# Altium PCB B0621_T01_V1.0.PcbDoc (part 1 of 2) (continued)
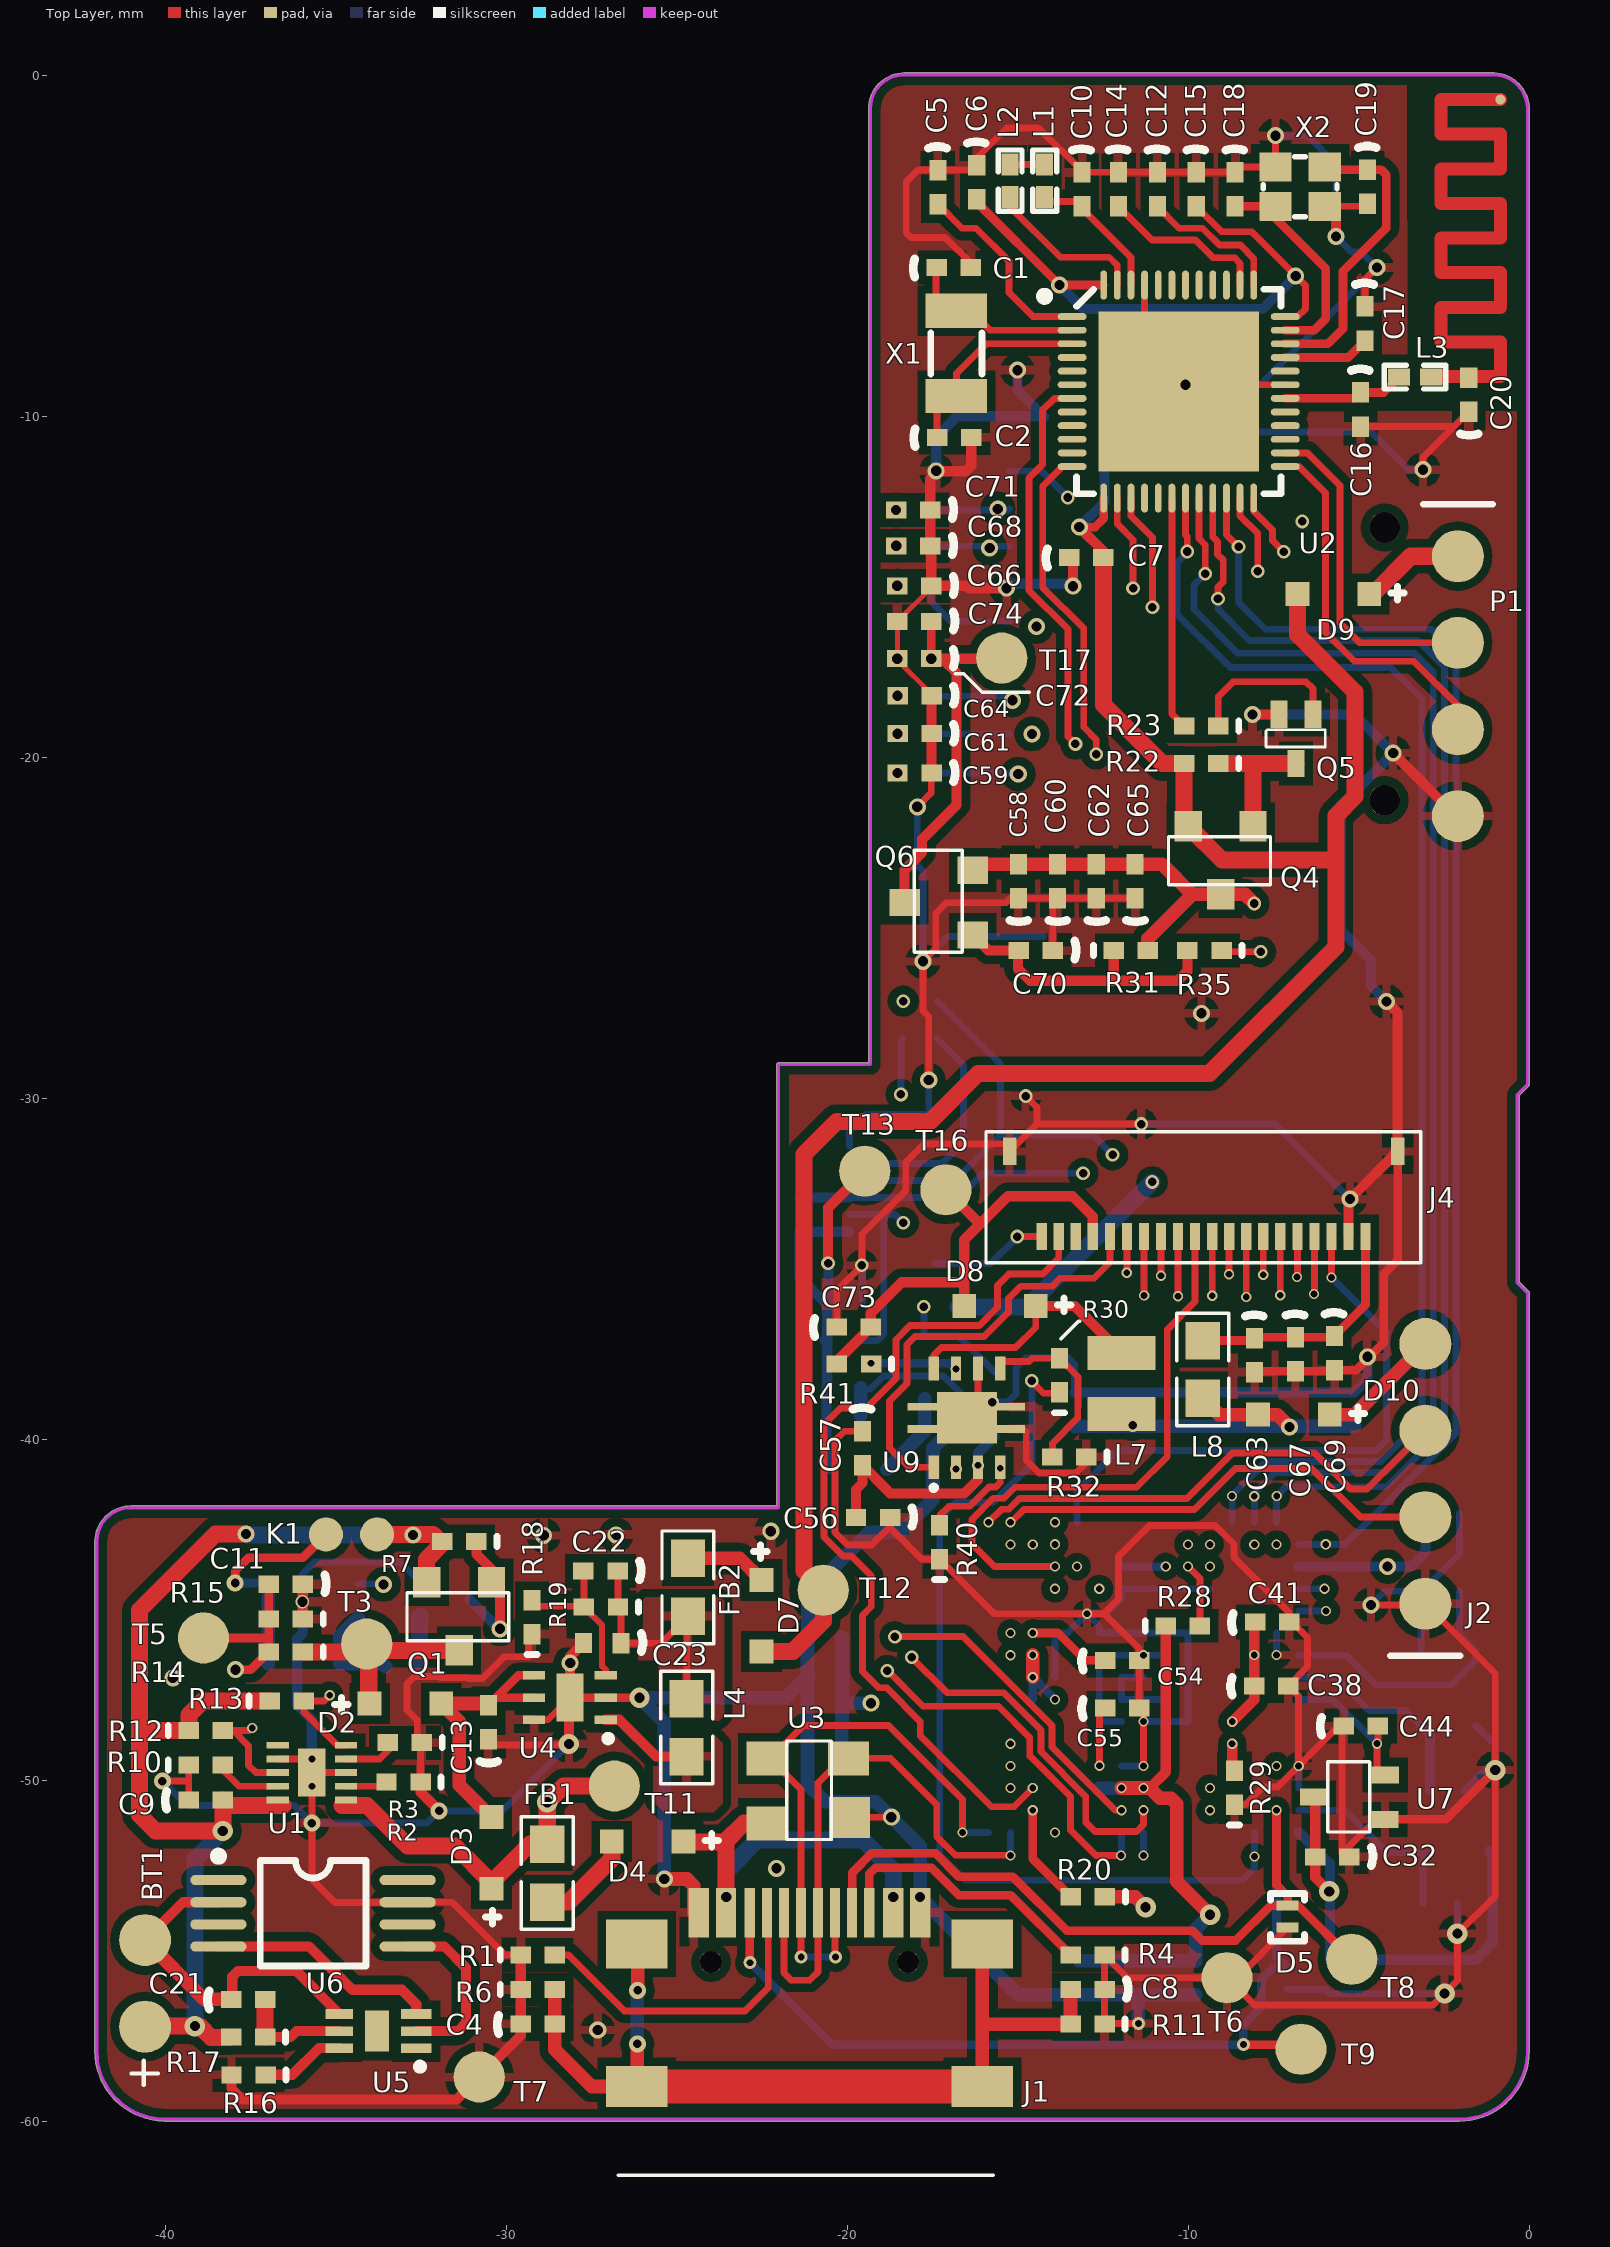
[diagram p0: Top Layer view]
## Components (designator, comment, footprint, x,y, rotation, side; value= is the part's Value field where it differs from the comment) (continued)
D5 "PESD5V0S1BL" SOD882 -7.087,-54.318 r90 top
D6 "PESD5V0S1BL" SOD882 -7.112,-56.134 r90 bottom
D7 "PMEG3005EJ" SOD323 -22.522,-46.22 r90 top
D8 "D-Schottky" SOD323 -16.573,-36.081 r0 top
D9 "PMEG3005EJ" SOD323 -6.793,-15.201 r0 top
D10 "PMEG3005EJ" SOD323 -7.951,-39.271 r0 top
FB1 "MF-FSMF020X-2" 0603-1 -28.804,-52.718 r90 top
FB2 "WLCB1005D" 0603-1 -24.676,-44.336 r270 top
J1 "TPYE_C" ? -18.161,-54.61 r0 top locked
J2 "ST_SWD" SWD_CON -3.048,-44.818 r90 top
J3 "GB042-10S-H10" 6PIN-1 -19.939,-31.4 r270 bottom locked
J4 "20PIN" 20PIN-1 -4.8,-34.049 r180 top locked
J5 "ATTEND_112J-TDAR-R01" TF_1 -15.24,-20.447 r90 bottom locked
K1 "ON/OFF" switch_con -33.795,-42.786 r180 top
L1 "15nH" INDC1005X04L -14.211,-3.073 r90 top
L2 "10uH" INDC1005X04L -15.227,-3.073 r270 top
L3 "3.9nH" INDC1005X04L -3.349,-8.837 r0 top
L4 "2.2uH" 0603-1 -24.714,-48.451 r270 top
L5 "Inductor" 0603-1 -2.032,-52.07 r180 bottom
L6 "BLM18AG102SN1D" 0603-1 -19.698,-40.869 r180 bottom
L7 "4u7 VLS252008ET-4R7" L_2.5X2.0 -11.963,-39.18 r90 top
L8 "Inductor" 0603-1 -9.576,-37.948 r270 top
P1 "DownLoad_Nodic" SWD_CON -2.093,-14.091 r270 top
Q1 "DMG3415U-7" SOT23 -31.369,-45.225 r180 top
Q2 "2SK3019TL" SOT523_MOSFET -31.801,-44.729 r90 bottom
Q3 "DMG3415U-7" SOT23 -16.771,-38.788 r270 bottom
Q4 "DMG3415U-7" SOT23 -9.03,-23.051 r180 top
Q5 "2SK3019TL" SOT523_MOSFET -6.812,-19.45 r180 top
Q6 "DMG3415U-7" SOT23 -17.361,-24.27 r90 top
R1 "5.1K" 0402-a -29.083,-55.118 r0 top
R2 "6.98K" 0402-A -33.02,-50.051 r180 top
R3 "4.02K" 0402-A -32.982,-48.895 r180 top
R4 "5.1K" 0402-a -12.954,-55.118 r180 top
R5 "150K" 0402-A -36.487,-44.234 r180 bottom
R6 "1M" 0402-a -29.083,-56.134 r0 top
R7 "10K" 0402-A -31.382,-42.99 r180 top
R8 "150K" 0402-A -34.353,-44.729 r270 bottom
R9 "150K" 0402-A -33.045,-46.66 r180 bottom
R10 "10K" 0402-A -38.819,-49.555 r0 top
R11 "1M" 0402-a -12.954,-57.15 r180 top
R12 "10K" 0402-A -38.819,-48.539 r0 top
R13 "10K" 0402-A -36.449,-47.676 r0 top
R14 "20K" 0402-A -36.474,-46.228 r180 top
R15 "120K" 0402-A -36.474,-45.263 r180 top
R16 "2k" 0402-A -37.567,-58.636 r180 top
R17 "100" 0402-A -37.579,-57.531 r180 top
R18 "160K" 0402-A -29.248,-45.212 r90 top
R19 "665K" 0402-A -27.229,-44.92 r180 top
R20 "22R" 0402-a -12.946,-53.414 r180 top
R21 "10K" 0402-A -17.25,-36.116 r0 bottom
R22 "10K" 0402-A -9.62,-20.171 r180 top
R23 "100K" 0402-A -9.619,-19.077 r180 top
R24 "1.5K" 0402-A -17.861,-27.143 r180 bottom
R25 "100R" 0402-A -17.869,-28.245 r180 bottom
R26 "1.5K" 0402-A -21.398,-33.405 r270 bottom
R27 "10K" 0402-A -20.058,-37.04 r180 bottom
R28 "Res1" 0402-A -10.16,-45.466 r0 top
R29 "Res1" 0402-A -8.649,-50.211 r90 top
R30 "68R" 0402-a -13.779,-38.118 r90 top
R31 "470K" 0402-A -11.684,-25.654 r0 top
R32 "330R" 0402-a -13.488,-40.508 r180 top
R33 "68R" 0402-A -18.021,-20.447 r180 bottom
R34 "68R" 0402-A -18.034,-19.291 r180 bottom
R35 "22K" 0402-A -9.525,-25.654 r180 top
R36 "68R" 0402-A -18.034,-18.186 r180 bottom
R37 "68R" 0402-A -18.039,-14.953 r180 bottom
R38 "68R" 0402-A -18.059,-13.792 r180 bottom
R39 "68R" 0402-A -18.072,-12.738 r180 bottom
R40 "27R" 0402-a -17.292,-43.012 r90 top
R41 "0R" 0402-a -19.807,-37.787 r180 top
T3 "CHECK" CHECK-B -34.099,-45.999 r0 top
T5 "CHECK" CHECK-B -38.887,-45.822 r0 top
T6 "CHECK" CHECK-B -8.865,-55.791 r0 top
T7 "CHECK" CHECK-B -30.797,-58.699 r0 top
T8 "CHECK" CHECK-B -5.207,-55.245 r0 top
T9 "CHECK" CHECK-B -6.693,-57.887 r180 top
T11 "CHECK" CHECK-B -26.835,-50.165 r0 top
T12 "CHECK" CHECK-B -20.706,-44.421 r0 top
T13 "CHECK" CHECK-B -19.489,-32.128 r0 top
T16 "CHECK" CHECK-B -17.109,-32.678 r0 top
T17 "CHECK" CHECK-B -15.473,-17.078 r0 top
U1 "bq24040" WSON-10 -35.009,-50.571 r180 top
U2 "nRF52832-QFAAB0" 2-QFN40P600X600X90-48N -10.312,-9.169 r0 top
U3 "PRTR5V0U2X" SOT143B -20.066,-51.054 r90 top
U4 "TPS62260DRV" SON-6 -27.089,-48.222 r180 top
U5 "HY2113" DFN-6L -33.795,-57.353 r90 top
U6 "FS8205A" TSSOP-8 -35.674,-53.899 r0 top
U7 "MIC803-29D2VC3" SC70-3 -4.221,-51.143 r90 top
U8 "STM32F427IIH6" UFBGA176+25 -11.214,-47.003 r180 bottom locked
U9 "TPS61043" QFN-8 -17.468,-40.765 r90 top
X1 "32.768kHz" XTAL_3215 -16.802,-8.141 r270 top
X2 "32MHz" BT-XTAL_2016 -6.718,-3.251 r180 top
XT1 "8Mhz" OSC_4-3225 -3.175,-48.387 r270 bottom

## Footprints (in the part's own frame and the unit in brackets; to place one, negate y for a bottom-side part, rotate by r counter-clockwise, add the part's x,y. Pads: shape width x height; smd on the part's side, far side on the other; paste and mask are expansions set on the pad)
2-QFN40P600X600X90-48N [mm]
  oval 0.85x0.2 smd: 1(-3.094,2.109) 2(-3.094,1.709) 3(-3.094,1.309) 4(-3.094,0.909) 5(-3.094,0.509) 6(-3.094,0.109) 7(-3.094,-0.291) 8(-3.094,-0.691) 9(-3.094,-1.091) 10(-3.094,-1.491) 11(-3.094,-1.891) 12(-3.094,-2.291) 25(3.156,-2.291) 26(3.156,-1.891) 27(3.156,-1.491) 28(3.156,-1.091) 29(3.156,-0.691) 30(3.156,-0.291) 31(3.156,0.109) 32(3.156,0.509) 33(3.156,0.909) 34(3.156,1.309) 35(3.156,1.709) 36(3.156,2.109)
  oval 0.2x0.85 smd: 13(-2.169,-3.216) 14(-1.769,-3.216) 15(-1.369,-3.216) 16(-0.969,-3.216) 17(-0.569,-3.216) 18(-0.169,-3.216) 19(0.231,-3.216) 20(0.631,-3.216) 21(1.031,-3.216) 22(1.431,-3.216) 23(1.831,-3.216) 24(2.231,-3.216) 37(2.231,3.034) 38(1.831,3.034) 39(1.431,3.034) 40(1.031,3.034) 41(0.631,3.034) 42(0.231,3.034) 43(-0.169,3.034) 44(-0.569,3.034) 45(-0.969,3.034) 46(-1.369,3.034) 47(-1.769,3.034) 48(-2.169,3.034)
  rect 4.7x4.7 smd: 49(0.031,-0.091)
  silkscreen extent -4.03,-3.09 3.03,2.91, body extent -2.99,-3.11 3.05,2.93, height 0.86
6PIN-1 [mm]
  rect 0.3x0.8 smd: 1(0,0) 2(0.5,0) 3(1,0) 4(1.5,0) 5(2,0) 6(2.5,0)
  rect 0.4x0.8 smd: 7(-0.94,-2.5) 8(3.44,-2.5)
  silkscreen extent -1.43,-3.05 3.93,0.76
20PIN-1 [mm]
  rect 0.3x0.8 smd: 1(0,0) 2(0.5,0) 3(1,0) 4(1.5,0) 5(2,0) 6(2.5,0) 7(3,0) 8(3.5,0) 9(4,0) 10(4.5,0) 11(5,0) 12(5.5,0) 13(6,0) 14(6.5,0) 15(7,0) 16(7.5,0) 17(8,0) 18(8.5,0) 19(9,0) 20(9.5,0)
  rect 0.4x0.8 smd: 21(-0.94,-2.5) 22(10.44,-2.5)
  silkscreen extent -1.62,-3.07 11.13,0.76
0402-a [mm] "Chip Inductor; Body 1 x 0.5 mm (LxW typ)"
  rect 0.6x0.5 smd: 1(-0.5,0) 2(0.5,0)
  silkscreen extent -1.1,-0.15 -1.1,0.15
0402-A [mm] "Chip Inductor; Body 1 x 0.5 mm (LxW typ)"
  rect 0.6x0.5 smd: 1(-0.5,0) 2(0.5,0)
  silkscreen extent -1.1,-0.15 -1.1,0.15
0402-c [mm]
  rect 0.6x0.5 smd: 1(0.389,0) 2(1.389,0)
  silkscreen extent -0.3,-0.28 -0.25,0.25
0402-C [mm]
  rect 0.6x0.5 smd: 1(0.389,0) 2(1.389,0)
  silkscreen extent -0.3,-0.28 -0.25,0.25
0402-C1 [mm]
  rect 0.5x0.6 smd: 1(0.25,0.26) 2(1.35,0.25)
  silkscreen extent -0.39,-0.03 -0.34,0.5
0603-1 [mm] "贴片带丝印"
  rect 1.1x1 smd: 1(-0.85,0) 2(0.85,0)
  silkscreen extent -1.65,-0.76 1.65,0.76, body extent -1.14,-0.38 1.14,0.38, height 1
BAT_CON [mil]
  round 60 smd: 1(0,0) 2(100,0)
  silkscreen extent -67,-15 -39,16
BT-XTAL_2016 [mm] "Crystal 2.0 x 1.6 mm"
  rect 0.95x0.85 smd: 1(-0.725,-0.575) 2(0.725,-0.575) 3(0.725,0.575) 4(-0.725,0.575)
  silkscreen extent -1.08,-0.88 1.08,0.88, body extent -1.05,-0.85 1.05,0.85, height 0.56
CHECK-B [mm] "Connector; Plug"
  round 1.5 smd: 1(0,0)
DFN-6L [mm]
  rect 0.28x0.9 smd mask+0.05: 1(-0.5,-1.15) 2(0,-1.15) 3(0.5,-1.15)
  rect 0.28x0.8 smd mask+0.05: 4(0.5,1.11) 5(0,1.11)
  rect 0.28x0.81 smd mask+0.05: 6(-0.5,1.11)
  rect 1.2x0.7 smd: ""(0,0)
  silkscreen extent -1.15,-1.36 -0.94,-1.15
INDC1005X04L [mm] "Chip Inductor, 2-Leads, Body 1.0x0.5mm, IPC High Density"
  rect 0.65x0.5 smd: 1(-0.475,0) 2(0.475,0)
  silkscreen extent -0.9,-0.35 0.9,0.35, body extent -0.5,-0.3 0.5,0.3, height 0.5
L_2.5X2.0 [mm]
  rect 1x2 smd: 1(-0.07,0) 2(1.72,0)
OSC_4-3225 [mm]
  rect 1.2x1.1 smd: 1(0,0) 2(-2.2,0) 3(-2.2,-1.6) 4(0,-1.6)
  silkscreen extent -2.97,-2.31 1.19,0.71, body extent -2.67,-2.04 0.53,0.46, height 0.81
QFN-8 [mm]
  rect 0.7x0.3 smd: 1(-0.05,0) 2(-0.05,-0.65) 3(-0.05,-1.3) 4(-0.05,-1.95) 5(2.85,-1.95) 6(2.85,-1.3) 7(2.85,-0.65) 8(2.85,0)
  rect 0.23x0.925 smd: 9(1.075,0.304) 9(1.075,-2.209) 9(1.725,-2.209) 9(1.725,0.304)
  rect 1.5x1.75 smd: 9(1.4,-0.975)
  silkscreen extent -0.68,-0.03 -0.63,0.03
SC70-3 [mm]
  rect 0.5x0.8 smd: 1(0,0.01) 2(1.3,0) 3(0.65,2.1)
  silkscreen extent -0.37,0.46 1.69,1.69
SOD323 [mm]
  rect 0.7x0.7 smd: 1(2.1,0) 2(0,0)
  silkscreen extent 2.73,-0.17 3.13,0.23
SOD882 [mm]
  rect 0.3x0.65 smd: 1(0,0) 2(0.65,0)
  silkscreen extent -0.4,-0.5 1,0.5
SON-6 [mm]
  rect 0.65x0.25 smd: 1(0,0) 2(0,-0.65) 3(0,-1.3) 4(2.1,-1.3) 5(2.1,-0.65) 6(2.1,0)
  rect 0.8x1.4 smd: ""(1.05,-0.65)
  silkscreen extent -0.14,0.48 0,0.62
SOT23 [mm]
  rect 0.8x0.9 smd: 1(-0.93,-1.04) 2(0.02,0.96) 3(0.97,-1.04)
  silkscreen extent -1.44,-0.73 1.55,0.68
SOT143B [mm]
  rect 1.2x1.2 smd: 1(-0.03,-0.13)
  rect 1x1.2 smd: 2(1.7,-0.1) 3(1.69,2.3) 4(-0.21,2.29)
  silkscreen extent -0.68,0.4 2.21,1.71
SOT523_MOSFET [mm]
  rect 0.5x0.8 smd: 1(-0.47,-0.72) 2(0.03,0.72) 3(0.53,-0.72)
  silkscreen extent -0.83,-0.27 0.91,0.24
SWD_CON [mil]
  round 60 smd: 1(0,0) 2(100,0) 3(200,0) 4(300,0)
  silkscreen extent -60,-40 -60,40
switch_con [mm]
  round 1 smd: 1(0,0) 2(1.5,0)
TF_1 [mm]
  round 0.9 hole 0.9 unplated: 0(-0.8,11) 0(7.2,11)
  rect 0.85x2 smd: 1(0,0)
  rect 0.8x2 smd: 2(1.15,0) 3(2.25,0) 4(3.35,0) 5(4.45,0) 6(5.55,0) 7(6.65,0) 8(7.75,0) 9(8.85,0)
  rect 1.5x2 smd: 10(-5.5,10.6) 12(10.45,1)
  rect 2x2 smd: 11(-4.8,1)
  rect 1.4x2 smd: 13(10,10.6)
  silkscreen extent -4.86,0.36 9.49,16, body extent -5.85,0 10.25,15, height 1.85
TSSOP-8 [mm]
  oval 1.65x0.3 smd: 1(-2.775,0.975) 2(-2.775,0.325) 3(-2.775,-0.325) 4(-2.775,-0.975) 5(2.775,-0.975) 6(2.775,-0.325) 7(2.775,0.325) 8(2.775,0.975)
  silkscreen extent -2.9,-1.55 1.55,1.8
UFBGA176+25 [mm]
  round 0.3 smd: A1(-4.452,4.576) A2(-3.802,4.576) A3(-3.152,4.576) A4(-2.502,4.576) A5(-1.852,4.576) A6(-1.202,4.576) A7(-0.552,4.576) A8(0.098,4.576) A9(0.748,4.576) A10(1.398,4.576) A11(2.048,4.576) A12(2.698,4.576) A13(3.348,4.576) A14(3.998,4.576) A15(4.648,4.576) B1(-4.452,3.926) B2(-3.802,3.926) B3(-3.152,3.926) B4(-2.502,3.926) B5(-1.852,3.926) B6(-1.202,3.926) B7(-0.552,3.926) B8(0.098,3.926) B9(0.748,3.926) B10(1.398,3.926) B11(2.048,3.926) B12(2.698,3.926) B13(3.348,3.926) B14(3.998,3.926) B15(4.648,3.926) C1(-4.452,3.276) C2(-3.802,3.276) C3(-3.152,3.276) C4(-2.502,3.276) C5(-1.852,3.276) C6(-1.202,3.276) C7(-0.552,3.276) C8(0.098,3.276) C9(0.748,3.276) C10(1.398,3.276) C11(2.048,3.276) C12(2.698,3.276) C13(3.348,3.276) C14(3.998,3.276) C15(4.648,3.276) D1(-4.452,2.626) D2(-3.802,2.626) D3(-3.152,2.626) D4(-2.502,2.626) D5(-1.852,2.626) D6(-1.202,2.626) D7(-0.552,2.626) D8(0.098,2.626) D9(0.748,2.626) D10(1.398,2.626) D11(2.048,2.626) D12(2.698,2.626) D13(3.348,2.626) D14(3.998,2.626) D15(4.648,2.626) E1(-4.452,1.976) E2(-3.802,1.976) E3(-3.152,1.976) E4(-2.502,1.976) E12(2.698,1.976) E13(3.348,1.976) E14(3.998,1.976) E15(4.648,1.976) F1(-4.452,1.326) F2(-3.802,1.326) F3(-3.152,1.326) F4(-2.502,1.326) F6(-1.202,1.326) F7(-0.552,1.326) F8(0.098,1.326) F9(0.748,1.326) F10(1.398,1.326) F12(2.698,1.326) F13(3.348,1.326) F14(3.998,1.326) F15(4.648,1.326) G1(-4.452,0.676) G2(-3.802,0.676) G3(-3.152,0.676) G4(-2.502,0.676) G6(-1.202,0.676) G7(-0.552,0.676) G8(0.098,0.676) G9(0.748,0.676) G10(1.398,0.676) G12(2.698,0.676) G13(3.348,0.676) G14(3.998,0.676) G15(4.648,0.676) H1(-4.452,0.026) H2(-3.802,0.026) H3(-3.152,0.026) H4(-2.502,0.026) H6(-1.202,0.026) H7(-0.552,0.026) H8(0.098,0.026) H9(0.748,0.026) H10(1.398,0.026) H12(2.698,0.026) H13(3.348,0.026) H14(3.998,0.026) H15(4.648,0.026) J1(-4.452,-0.624) J2(-3.802,-0.624) J3(-3.152,-0.624) J4(-2.502,-0.624) J6(-1.202,-0.624) J7(-0.552,-0.624) J8(0.098,-0.624) J9(0.748,-0.624) J10(1.398,-0.624) J12(2.698,-0.624) J13(3.348,-0.624) J14(3.998,-0.624) J15(4.648,-0.624) K1(-4.452,-1.274) K2(-3.802,-1.274) K3(-3.152,-1.274) K4(-2.502,-1.274) K6(-1.202,-1.274) K7(-0.552,-1.274) K8(0.098,-1.274) K9(0.748,-1.274) K10(1.398,-1.274) K12(2.698,-1.274) K13(3.348,-1.274) K14(3.998,-1.274) K15(4.648,-1.274) L1(-4.452,-1.924) L2(-3.802,-1.924) L3(-3.152,-1.924) L4(-2.502,-1.924) L12(2.698,-1.924) L13(3.348,-1.924) L14(3.998,-1.924) L15(4.648,-1.924) M1(-4.452,-2.574) M2(-3.802,-2.574) M3(-3.152,-2.574) M4(-2.502,-2.574) M5(-1.852,-2.574) M6(-1.202,-2.574) M7(-0.552,-2.574) M8(0.098,-2.574) M9(0.748,-2.574) M10(1.398,-2.574) M11(2.048,-2.574) M12(2.698,-2.574) M13(3.348,-2.574) M14(3.998,-2.574) M15(4.648,-2.574) N1(-4.452,-3.224) N2(-3.802,-3.224) N3(-3.152,-3.224) N4(-2.502,-3.224) N5(-1.852,-3.224) N6(-1.202,-3.224) N7(-0.552,-3.224) N8(0.098,-3.224) N9(0.748,-3.224) N10(1.398,-3.224) N11(2.048,-3.224) N12(2.698,-3.224) N13(3.348,-3.224) N14(3.998,-3.224) N15(4.648,-3.224) P1(-4.452,-3.874) P2(-3.802,-3.874) P3(-3.152,-3.874) P4(-2.502,-3.874) P5(-1.852,-3.874) P6(-1.202,-3.874) P7(-0.552,-3.874) P8(0.098,-3.874) P9(0.748,-3.874) P10(1.398,-3.874) P11(2.048,-3.874) P12(2.698,-3.874) P13(3.348,-3.874) P14(3.998,-3.874) P15(4.648,-3.874) R1(-4.452,-4.524) R2(-3.802,-4.524) R3(-3.152,-4.524) R4(-2.502,-4.524) R5(-1.852,-4.524) R6(-1.202,-4.524) R7(-0.552,-4.524) R8(0.098,-4.524) R9(0.748,-4.524) R10(1.398,-4.524) R11(2.048,-4.524) R12(2.698,-4.524) R13(3.348,-4.524) R14(3.998,-4.524) R15(4.648,-4.524)
  round 1 on Bottom Overlay: ""(-5.95,4.89)
  silkscreen extent -5.19,-5.26 5.38,5.31, body extent -4.92,-5 5.14,5.06, height 0.61
WSON-10 [mm]
  rect 0.65x0.2 smd mask+0.05: 1(-0.3,0) 2(-0.3,-0.4) 3(-0.3,-0.8) 4(-0.3,-1.2) 5(-0.3,-1.6) 6(1.7,-1.6) 7(1.7,-1.2) 8(1.7,-0.8) 9(1.7,-0.4) 10(1.7,0)
  rect 0.8x1.4 smd mask+0.05: 11(0.7,-0.8)
  round 0.3 on Top Overlay: ""(-0.4,0.4)
XTAL_3215 [mm] "XTAL SMD 3.2 x 1.5 mm"
  rect 1x1.8 smd: 1(-1.25,0) 2(1.25,0)
  silkscreen extent -0.6,-0.75 0.6,0.75, body extent -1.6,-0.75 1.6,0.75, height 0.81
? [mm]
  rect 1.8x1.2 smd: 0(-8.02,-4.37) 0(2.12,-4.37)
  rect 1.8x1.45 smd: 0(-8.02,-0.19) 0(2.12,-0.19)
  rect 0.3x1.45 smd: A1(-6.35,0.725) A4(-5.55,0.725) A5(-4.2,0.725) A6(-3.2,0.725) A7(-2.7,0.725) A8(-1.7,0.725) A9(-0.35,0.725) A12(0.45,0.725) B1(0.15,0.725) B4(-0.65,0.725) B5(-1.2,0.725) B6(-2.2,0.725) B7(-3.7,0.725) B8(-4.7,0.725) B9(-5.25,0.725) B12(-6.05,0.725)
  round 0.65 hole 0.65: ""(-5.84,-0.72) ""(-0.06,-0.72)
  silkscreen extent -8.56,-6.97 2.44,-6.97

## Part data
BT1: "备份电池"
C1 C2 C12 C14 C18 C19: library part C0402-12p, "Capacitor, NP0, ?%"
C3 C4 C8 C9 C11 C13 C21 C22 C23 C24 C25 C26 C27 C28 C29 C30 C31 C32 C33 C34 C35 C36 C37 C38 C39 C40 C41 C42 C43 C44 C45 C46 C47 C48 C49 C50 C51 C52 C53 C54 C55 C58 C60 C62 C65 C70 C72: library part Cap, "无极性电容"
C5 C7 C15: library part C0402-100n, "Capacitor, X7R, ?0%"
C6: library part C0603-4?, "Capacitor, X5R, ?0%"
C10: library part C0603-1?, "Capacitor, X7R, ?0%"
C16: library part C0402-0.8p, "Capacitor, NP0, ?%"
C17: library part C0402-100p, "Capacitor, NP0, ?%"
C20: library part C0402-1.2p, "Capacitor, NP0, ?.1pF"
C56 C57 C73: "无极性电容"
C59 C61 C63 C64 C66 C67 C68 C69 C71 C74 C75: library part SMT_C_0402, "Surface mount capacitor 0402"
D1 D2 D3 D4 D7 D9 D10: library part D-Schottky, "肖特基二极管"
D5 D6: library part TVS_DIOCODE, "TVS"
D8: "肖特基二极管"
FB1 R1 R4 R6 R11 R20 R21 R24 R25 R26 R27 R30 R31 R32 R33 R34 R35 R36 R37 R38 R39 R40 R41: library part Res1, "贴片电阻"
FB2: library part Inductor, "magnetic bead"
J1: "USB"
J2 P1: library part "Header 4", "Header, 4-Pin"
J3: library part GB042-10S--H10, "Touch"
J5: "MICRO_SD"
K1: library part KEY
L1: library part L0402-15n, "Inductor, 320mA, ?%"
L2: library part L0603-10?, "Inductor, 80mA, ?0%"
L3: library part L0402-3n9, "Inductor, 170mA, ?.1nH"
L4: library part Inductor, "inductance"
L5 L8: "电感"
L6 L7: library part Inductor, "电感"
Q1 Q3 Q4 Q6: library part PMOS-2, "P-Channel Power MOSFET"
Q2 Q5: library part MOSFET-N, "N-Channel MOSFET"
R2 R3 R5 R7 R8 R9 R10 R12 R13 R14 R15 R16 R17 R18 R19 R22 R23: library part R-10K, "resistor"
R28 R29: "贴片电阻"
T3 T5 T6 T7 T8 T9 T11 T12 T13 T16 T17: "测试点"
U1: "Charge"
U2: "Multi-protocol Bluetooth Low Energy, ANT and 2.4GHz proprietary system-on-chip"
U3: "ESD_Protect"
U5: "Charger"
U6: "Charger IC"
U7: library part MIC803
U9: "Led Drvier"
X1: library part "XTAL_FC-135 32.768k", "XTAL SMD 3215, 32.768kHz, 9pF, ?0ppm"
X2: library part XTAL_SMD2016_32MHz_8pF_Epson, "XTAL SMD 2016, 32MHz, Cl=8pF, Tol: ?0ppm, Stab: ?0ppm"
XT1: library part XT, "晶振"

## Free pads (board coordinates)
  round 0.3 smd: 0(-0.844,-0.694)

## Via types
v1: diameter 0.3, hole 0.2, Top Layer to Bottom Layer, 76 vias
v2: diameter 0.5, hole 0.3, Top Layer to Bottom Layer, 56 vias
v3: diameter 0.4, hole 0.25, Top Layer to Bottom Layer, 32 vias
v4: diameter 0.6, hole 0.3, Top Layer to Bottom Layer, 11 vias
v5: diameter 0.5, hole 0.25, Top Layer to Bottom Layer, 6 vias
v6: diameter 0.38, hole 0.2, Top Layer to Bottom Layer, 5 vias
v7: diameter 0.35, hole 0.2, Top Layer to Bottom Layer, 2 vias
v8: diameter 0.5, hole 0.2, Top Layer to Bottom Layer, 2 vias
v9: diameter 0.4, hole 0.3, Top Layer to Bottom Layer, 1 vias

## Nets (pads, with @x,y where several pads share a name; then routed paths per layer and width w, separated by ;. In a path a pad name is that pad's centre, name@x,y a point inside that pad or via, vN(x,y) a via of type N, cw(c..) or ccw(c..) an arc to the next point about the centre after c; other vN are vias at no path point)
3V3: C6.2 C7.2 C15.2 D7.2 D9.2 Q4.3 R22.2 T12.1 U2.13 U2.36 U2.48 | length 86.8
  Top Layer w0.2: C15.2@-9.766,-3.827 -9.022,-4.572 -8.141,-4.572 -6.566,-6.147 -6.566,-6.833 -6.794,-7.06 U2.36@-7.156,-7.06
  Top Layer w0.25: v2(-13.197,-13.236) -12.734,-13.236 -12.481,-12.983 U2.13@-12.481,-12.385
  Top Layer w0.254: C6.2@-16.205,-3.624 -16.205,-3.708 v2(-13.778,-6.135) U2.48@-12.5,-6.135
  Top Layer w0.3: v2(-13.197,-13.236) -12.488,-13.945 C7.2@-12.488,-14.13
  Top Layer w0.5: D7.2@-22.522,-46.22 -21.6,-46.22 -20.706,-45.325 T12.1@-20.706,-44.421 -21.272,-43.855 -21.272,-31.636 -20.311,-30.675 -17.571,-30.675 -16.165,-29.269 -9.383,-29.269 -5.669,-25.555 -5.669,-23.044 ; C7.2@-12.488,-14.13 -12.488,-18.448 -10.765,-20.171 R22.2@-10.12,-20.171 -10.12,-21.89 Q4.3@-10,-22.01 -9.011,-22.999 -5.714,-22.999 -5.669,-23.044 ; D9.2@-6.793,-15.201 -6.793,-16.391 -5.107,-18.078 -5.107,-21.141 -5.669,-21.703 -5.669,-23.044
  Bottom Layer w0.3: v2(-13.778,-6.135) -13.071,-6.843 -12.458,-6.843 ; v2(-13.197,-13.236) -12.459,-12.498 -12.459,-6.844 -12.458,-6.843 ; v2(-6.851,-5.872) -7.822,-6.843 -12.458,-6.843
ADC_VBAT: C11.2 R14.2 R15.2 T5.1 U2.7 | length 62.6
  Top Layer w0.2: U2.7@-13.406,-9.46 -13.926,-9.46 -14.272,-9.807 -14.272,-11.399 -14.672,-11.799 -14.672,-15.091 -13.532,-16.23 -13.532,-19.375 v3(-13.31,-19.597)
  Top Layer w0.254: T5.1@-38.887,-45.822 -36.978,-45.822 -36.974,-45.825 ; v2(-37.946,-46.753) -37.5,-46.753 R14.2@-36.974,-46.228 -36.974,-45.825 ; C11.2@-36.974,-44.247 R15.2@-36.974,-45.263 -36.974,-45.825
  MidLayer2 w0.2: v2(-37.946,-46.753) -37.946,-45.593 -35.92,-43.568 -21.676,-43.568 -20.827,-42.719 -20.827,-40.226 -18.637,-38.037 -18.637,-37.396 -19.003,-37.031 -19.003,-35.028 -13.31,-29.335 v3(-13.31,-19.597)
ANT: C20.2 L3.2 pad.0 | length 23.9
  Top Layer w0.381: L3.2@-2.592,-8.822 -2.024,-8.822 -1.391,-8.822 -0.844,-8.822 -0.844,-7.806 -2.592,-7.806 -2.592,-6.79 -0.844,-6.79 -0.844,-5.774 -2.592,-5.774 -2.592,-4.758 -0.844,-4.758 -0.844,-3.742 -2.592,-3.742 -2.592,-2.726 -0.844,-2.726 -0.844,-1.71 -2.592,-1.71 -2.592,-0.694 pad.0@-0.844,-0.694
CC1: J1.A5 R1.2 | length 9.4
  Top Layer w0.2: R1.2@-28.583,-55.118 -28.178,-55.118 -26.535,-56.762 -23.002,-56.762 -22.32,-56.081 -22.32,-53.926 J1.A5@-22.361,-53.885
CC2: J1.B5 R4.2 | length 8.2
  Top Layer w0.254: J1.B5@-19.361,-53.885 -19.361,-52.746 -19.177,-52.562 -17.53,-52.562 -16.724,-53.368 -15.204,-53.368 R4.2@-13.454,-55.118
CHRG_STA: R12.2 U1.8 U2.15 | length 58.4
  Top Layer w0.2: R12.2@-38.319,-48.539 -38.014,-48.539 ; v1(-37.458,-48.461) -37.537,-48.539 -38.014,-48.539 ; U1.8@-36.709,-49.771 -37.354,-49.771 -37.563,-49.562 -37.563,-48.99 -38.014,-48.539 ; U2.15@-11.681,-12.385 -11.681,-12.917 -11.05,-13.548 v3(-11.05,-15.59)
  MidLayer2 w0.2: v1(-37.458,-48.461) -35.471,-48.461 -33.244,-46.234 -29.237,-46.234 -28.438,-45.436 -20.67,-45.436 -19.398,-44.164 -19.398,-40.723 -17.306,-38.631 -17.306,-35.283 -11.05,-29.027 v3(-11.05,-15.59)
CTL_ST: R23.2 U2.18 | length 6.8
  Top Layer w0.2: U2.18@-10.481,-12.385 -10.481,-18.715 R23.2@-10.119,-19.077
DEC1: C5.2 U2.1 | length 5.8
  Top Layer w0.2: C5.2@-17.348,-3.764 -16.642,-4.47 -16.227,-4.47 -15.262,-5.436 -15.262,-6.36 -14.562,-7.06 U2.1@-13.406,-7.06
DEC3: C17.2 U2.33 | length 2.5
  Top Layer w0.254: U2.33@-7.156,-8.26 -5.309,-8.26 C17.2@-4.813,-7.764
DEC4: C10.2 L1.1 U2.46 | length 4.1
  Top Layer w0.2: L1.1@-14.211,-3.548 -14.122,-3.637 -14.122,-3.683 -13.264,-3.683 C10.2@-13.119,-3.827 -13.119,-3.886 -11.681,-5.324 U2.46@-11.681,-6.135
DN: J1.A7 J1.B7 U3.2 U8.R14 | length 16.8
  Top Layer w0.2: J1.B7@-21.861,-53.885 -21.861,-55.649 -21.649,-55.86 -21.104,-55.86 -20.861,-55.617 J1.A7@-20.861,-53.885 -20.861,-50.071 -20.144,-49.354 U3.2@-19.966,-49.354 -19.965,-49.353 -18.734,-49.353 -17.379,-50.708 -17.379,-51.641 -16.822,-52.198 v1@-15.215,-52.198
  Bottom Layer w0.2: v1(-15.215,-52.202) -15.212,-52.199 U8.R14@-15.212,-51.527
DP: J1.A6 J1.B6 U3.3 U8.R15 | length 17.2
  Top Layer w0.2: v6(-21.355,-55.177) -21.361,-55.171 J1.A6@-21.361,-53.885 -21.361,-50.269 -22.266,-49.364 -21.289,-48.387 -18.789,-48.387 -16.621,-50.556 v1(-16.621,-51.525) ; J1.B6@-20.361,-53.885 -20.361,-55.165 v6(-20.347,-55.179)
  Bottom Layer w0.2: v6(-21.355,-55.177) -20.349,-55.177 v6(-20.347,-55.179) ; v1(-16.621,-51.525) U8.R15@-15.862,-51.527 U8.R15@-15.862,-51.527
EN_NRF: R8.1 U2.12 | length 50.9
  Top Layer w0.2: U2.12@-13.406,-11.46 -13.687,-11.46 -14.27,-12.043 -14.27,-15.006 -13.065,-16.211 -13.065,-19.108 -12.698,-19.475 v3(-12.698,-19.897)
  MidLayer2 w0.2: v2(-33.609,-44.253) -21.295,-44.253 -20.253,-43.211 -20.253,-40.183 -18.223,-38.153 -18.223,-37.225 -18.591,-36.857 -18.591,-35.191 -12.698,-29.298 v3(-12.698,-19.897)
  Bottom Layer w0.2: R8.1@-34.353,-44.229 -33.632,-44.229 v2(-33.609,-44.253)
GND: C1.2 C2.2 C3.1 C4.1 C5.1 C6.1 C7.1 C8.1 C9.1 C10.1 C11.1 C12.1 C13.1 C14.1 C15.1 C16.2 C17.1 C18.1 C19.2 C20.1 C23.2 C24.2 C25.2 C26.2 C27.2 C28.2 C29.2 C30.2 C31.2 C32.1 C33.2 C34.2 C35.2 C36.2 C37.1 C38.2 C39.2 C40.2 C41.2 C42.2 C43.2 C44.1 C45.2 C46.2 C47.2 C48.2 C49.2 C50.2 C51.1 C52.1 C53.1 C54.2 C55.2 C56.1 C57.1 C58.1 C59.1 C60.1 C61.1 C62.1 C63.2 C64.1 C65.1 C66.1 C67.2 C68.1 C69.2 C70.1 C71.1 C72.2 C73.1 C74.2 C75.2 D5.1 D6.1 J1.A1 J1.A12 J1.B1 J1.B12 J2.1 J3.1 J3.7 J3.8 J4.2 J4.20 J4.21 J4.22 J5.6 J5.10 J5.11 J5.12 J5.13 P1.4 Q2.3 Q5.3 R1.1 R2.1 R3.1 R4.1 R5.1 R6.1 R10.1 R11.1 R15.1 R16.2 R18.1 R29.1 R32.1 R40.1 T6.1 T7.1 U1.3 U1.7 U1.11 U2.31 U2.45 U2.49 U3.1 U4. U4.2 U4.6 U6.7 U7.1 U8.D5 U8.D6 U8.D7 U8.D8 U8.D9 U8.F2 U8.F6 U8.F7 U8.F8 U8.F9 U8.F10 U8.F12 U8.G2 U8.G6 U8.G7 U8.G8 U8.G9 U8.G10 U8.G12 U8.H6 U8.H7 U8.H8 U8.H9 U8.H10 U8.H12 U8.J6 U8.J7 U8.J8 U8.J9 U8.J10 U8.K6 U8.K7 U8.K8 U8.K9 U8.K10 U8.M1 U8.M8 U8.M9 U8.N1 U9.6 U9.9 X2.2 X2.4 XT1.2 XT1.4 | length 431.8
  Top Layer w0.15: C66.1@-17.54,-14.958 -17.54,-15.012 C74.2@-18.535,-16.007 -18.535,-17.095 v2(-18.537,-17.097) -18.537,-17.133 -17.528,-18.142 C64.1@-17.528,-18.183
  Top Layer w0.2: v5(-40.096,-50.019) -39.319,-50.019 ; C9.1@-39.319,-50.571 -39.319,-50.019 ; R10.1@-39.319,-49.555 -39.319,-50.019 ; U1.7@-36.709,-49.371 U1.11@-36.109,-49.371 ; U1.3@-34.709,-49.771 U1.11@-35.709,-49.771 v8(-35.709,-50.171) v5(-35.709,-51.252) -35.709,-52.908 -35.035,-53.582 -32.908,-53.582 U6.7@-32.899,-53.574 -31.592,-53.574 -30.048,-55.118 R1.1@-29.583,-55.118 ; R2.1@-32.52,-50.051 -32.52,-48.933 R3.1@-32.482,-48.895 -32.618,-48.759 -32.618,-48.232 -32.915,-47.935 -32.915,-47.176 -32.694,-46.955 -31.97,-46.955 -31.936,-46.989 -31.153,-46.989 -31.135,-47.007 -30.703,-47.007 -30.071,-46.375 -29.355,-46.375 -29.355,-45.818 R18.1@-29.248,-45.712 ; C13.1@-30.531,-48.798 -30.37,-48.959 -28.194,-48.959 v4(-28.169,-48.933) ; U4.6@-29.189,-48.222 -28.789,-48.222 -28.169,-47.601 U4.@-28.139,-47.572 ; C73.1@-20.312,-36.703 -20.312,-35.631 v3(-19.574,-34.894) -19.574,-33.98 -18.287,-32.693 -18.287,-31.865 -17.757,-31.335 -15.24,-31.335 J4.22@-15.24,-31.549 -14.437,-30.746 ; U3.1@-19.936,-51.084 v2@-18.716,-51.084 ; C57.1@-19.558,-39.759 -20.083,-39.759 -20.359,-40.034 -20.359,-42.722 -19.99,-43.091 -19.286,-43.091 -18.748,-42.553 ; C56.1@-18.748,-42.288 -18.748,-42.553 ; v2(-17.948,-21.442) -17.542,-21.036 -17.542,-20.461 C59.1@-17.53,-20.449 ; v2(-17.613,-29.454) -17.613,-27.6 -17.786,-27.427 v2(-17.786,-25.974) -17.408,-25.597 -17.408,-24.568 -17.094,-24.254 -15.343,-24.254 -15.211,-24.122 C58.1@-14.986,-24.122 C60.1@-13.843,-24.122 ; U9.9@-16.887,-39.759 U9.9@-16.493,-39.365 -16.168,-39.04 U9.6@-16.168,-37.914 ; U9.9@-16.876,-39.438 U9.9@-16.648,-39.21 ; C1.2@-16.378,-5.626 -16.378,-5.494 -17.133,-4.74 -18.139,-4.74 -18.275,-4.604 -18.275,-3.108 -17.931,-2.764 C5.1@-17.348,-2.764 -16.345,-2.764 C6.1@-16.205,-2.624 -16.205,-2.405 -15.325,-1.525 -14.392,-1.525 -13.119,-2.797 C10.1@-13.119,-2.827 C14.1@-12.052,-2.827 C12.1@-10.909,-2.827 C15.1@-9.766,-2.827 C18.1@-8.623,-2.827 -8.472,-2.676 X2.2@-7.443,-2.676 v2(-7.443,-1.754) ; U9.9@-15.259,-39.689 -14.845,-39.689 -14.755,-39.78 -14.755,-40.608 -14.378,-40.985 -13.292,-40.985 -12.988,-40.681 R32.1@-12.988,-40.508 ; v3(-15.013,-34.047) -14.301,-34.047 J4.20@-14.3,-34.049 ; v3(-14.772,-29.925) -14.437,-30.26 -14.437,-30.746 ; C70.1@-13.978,-25.654 -13.978,-24.257 C60.1@-13.843,-24.122 ; C65.1@-11.557,-24.122 C62.1@-12.7,-24.122 C60.1@-13.843,-24.122 ; v6(-11.457,-57.134) -12.438,-57.134 R11.1@-12.454,-57.15 C8.1@-12.454,-56.134 R4.1@-12.454,-55.118 -11.781,-55.791 T6.1@-8.865,-55.791 ; v3(-11.378,-30.746) -14.437,-30.746 ; v1(-11.312,-49.577) -11.312,-48.005 C55.2@-11.438,-47.879 C54.2@-11.438,-46.482 -11.438,-46.149 -12.476,-45.111 ; U2.45@-11.281,-6.135 -11.281,-8.26 U2.49@-10.281,-9.26 v2(-10.081,-9.06) U2.31@-7.156,-9.06 ; R29.1@-8.649,-50.711 -8.325,-50.711 -7.813,-50.198 -7.386,-50.198 v1(-6.762,-49.575) ; D5.1@-7.087,-54.318 -8.56,-55.791 T6.1@-8.865,-55.791 ; X2.4@-5.993,-3.826 -4.812,-3.826 C19.2@-4.737,-3.751 ; C44.1@-5.491,-48.453 -5.491,-52.156 -5.426,-52.091 U7.1@-4.462,-51.128 ; C44.1@-5.439,-48.401 -5.588,-48.401 v1(-6.762,-49.575) ; C16.2@-4.942,-10.287 -2.208,-10.287 ; C17.1@-4.813,-6.764 -4.813,-5.971 v2(-4.466,-5.624) ; v2(-4.639,-44.852) J2.1@-3.081,-44.852 ; v2(-3.111,-11.553) -3.111,-11.19 -2.208,-10.287 ; J2.1@-3.048,-44.818 -0.995,-46.872 v4(-0.995,-49.697) -0.995,-53.385 v4(-2.105,-54.495) -2.105,-55.874 v4(-2.482,-56.251) -2.824,-56.593 -8.063,-56.593 T6.1@-8.865,-55.791 ; C20.1@-1.773,-9.852 -2.208,-10.287 ; -18.748,-42.553 -18.748,-42.588 -17.824,-43.512 R40.1@-17.292,-43.512 -15.694,-45.111 v1(-12.975,-45.111) -12.476,-45.111 ; -12.476,-45.111 -12.043,-44.678 -12.043,-43.434 -11.132,-42.522 -9.213,-42.522 -8.662,-43.073 -8.662,-43.457 -7.04,-45.078 C41.2@-7.04,-45.356 -6.959,-45.356 -6.503,-45.812 -6.503,-46.661 C38.2@-7.068,-47.226 -6.762,-47.531 v1(-6.762,-49.575)
  Top Layer w0.25: U4.@-28.139,-47.572 U4.2@-27.089,-47.572 -26.101,-47.572 v4(-26.098,-47.574)
  Top Layer w0.254: C63.2@-8.052,-38.028 -8.026,-38.003 C67.2@-6.858,-38.003 C69.2@-5.766,-38.003 ; C69.2@-5.715,-37.965 -5.071,-37.965 -4.271,-37.165 -4.271,-35.15 -3.86,-34.739 J4.21@-3.86,-31.549 ; U7.1@-4.231,-51.143 -2.441,-51.143 v4(-0.995,-49.697)
  Top Layer w0.3: R16.2@-38.067,-58.636 -38.067,-59.04 -37.747,-59.36 -31.458,-59.36 T7.1@-30.797,-58.699 -29.583,-57.485 C4.1@-29.583,-57.15 R6.1@-29.583,-56.134 R1.1@-29.583,-55.118 ; R15.1@-35.974,-45.263 C11.1@-35.974,-44.247 ; R2.1@-32.52,-50.051 -32.52,-50.35 v5(-31.975,-50.895) ; v4(-28.169,-48.933) U4.@-28.169,-47.601 ; U4.@-28.139,-47.572 -28.139,-46.368 C23.2@-27.741,-45.97 ; -17.571,-11.81 C71.1@-17.571,-12.735 -17.569,-12.736 C68.1@-17.569,-13.785 -17.54,-13.814 C66.1@-17.54,-14.958 -16.505,-14.958 -16.435,-15.028 v2(-15.33,-15.028) ; C59.1@-17.53,-20.449 -17.53,-18.185 C64.1@-17.528,-18.183 ; v2@-17.362,-11.601 -16.531,-11.601 -16.366,-11.436 C2.2@-16.366,-10.605 ; C7.1@-13.488,-14.13 -13.383,-14.235 v2(-13.383,-14.97) ; v2(-8.116,-18.734) -7.346,-18.734 Q5.3@-7.342,-18.73 ; X2.4@-5.993,-3.826 -5.666,-4.153 v2(-5.666,-4.709) ; v2@-5.3,-32.945 v2(-5.256,-32.945) J4.21@-3.86,-31.549 -3.86,-27.478 v2(-4.183,-27.156) ; J4.2@-5.3,-34.049 v2@-5.3,-32.945 ; v2(-3.99,-19.867) -2.145,-21.711 P1.4@-2.093,-21.711
  Top Layer w0.4: v2(-25.371,-52.894) -24.706,-52.894 -24.511,-53.089 J1.A1@-24.511,-53.885
  MidLayer1 w0.2: v2(-15.011,-8.634) -14.586,-9.06 v2(-10.081,-9.06) ; v1(-12.975,-45.111) -8.626,-45.111 v1(-7.411,-46.326)
  MidLayer2 w0.2: v2(-17.613,-29.454) -17.142,-29.925 v3(-14.772,-29.925) ; v3(-15.013,-34.047) -13.885,-34.047 -11.378,-31.54 v3(-11.378,-30.746)
  Bottom Layer w0.2: v5(-40.096,-50.019) -39.374,-50.741 -36.221,-50.741 v5(-35.709,-51.252) -32.333,-51.252 v5(-31.975,-50.895) -30.13,-50.895 v4(-28.169,-48.933) ; R5.1@-35.987,-44.234 -35.987,-43.943 -35.634,-43.59 -33.131,-43.59 Q2.3@-32.521,-44.199 ; J3.1@-19.939,-31.4 -19.939,-30.95 -19.449,-30.46 J3.7@-17.439,-30.46 -17.613,-30.286 v2(-17.613,-29.454) ; C52.1@-19.593,-38.524 -19.323,-38.524 -18.934,-38.135 -17.184,-38.135 -16.483,-38.835 -16.483,-38.904 ; v3(-19.574,-34.894) -19.557,-34.911 C53.1@-19.557,-36.022 ; v2(-17.948,-21.442) -17.948,-23.158 -17.786,-23.32 v2(-17.786,-25.974) -17.058,-25.247 J5.11@-14.24,-25.247 ; J3.8@-17.439,-34.84 -15.795,-34.84 v3@-15.016,-34.061 ; v3@-15.845,-38.903 -15.297,-38.903 -15.056,-38.662 -15.056,-37.897 -14.774,-37.614 -13.514,-37.614 -13.335,-37.793 C25.2@-13.335,-38.624 ; U8.H12@-13.912,-46.977 U8.G12@-13.912,-46.327 U8.F12@-13.912,-45.677 -13.54,-45.677 v1(-12.975,-45.111) ; U8.M9@-11.962,-49.577 v1(-11.312,-49.577) ; U8.K9@-11.962,-48.277 U8.K10@-12.612,-48.277 U8.J10@-12.612,-47.627 U8.H10@-12.612,-46.977 U8.G10@-12.612,-46.327 U8.G9@-11.962,-46.327 v1(-11.312,-46.327) U8.G7@-10.662,-46.327 U8.H7@-10.662,-46.977 U8.J7@-10.662,-47.627 U8.J8@-11.312,-47.627 U8.J9@-11.962,-47.627 U8.H9@-11.962,-46.977 U8.H8@-11.312,-46.977 ; v3(-11.378,-30.746) -7.455,-30.746 v2(-5.256,-32.945) ; v1(-11.312,-48.277) U8.K7@-10.662,-48.277 U8.K6@-10.012,-48.277 U8.J6@-10.012,-47.627 U8.H6@-10.012,-46.977 U8.G6@-10.012,-46.327 U8.F6@-10.012,-45.677 U8.F7@-10.662,-45.677 U8.F8@-11.312,-45.677 U8.F9@-11.962,-45.677 U8.F10@-12.612,-45.677 -12.612,-45.473 v1(-12.975,-45.111) ; U8.D5@-9.362,-44.377 U8.D6@-10.012,-44.377 U8.D7@-10.662,-44.377 U8.D8@-11.312,-44.377 U8.D9@-11.962,-44.377 -11.962,-44.666 -11.96,-44.668 -12.402,-45.111 v1(-12.975,-45.111) ; v2(-7.443,-1.754) -6.508,-1.754 -5.666,-2.596 v2(-5.666,-4.709) -5.212,-5.163 -4.927,-5.163 v2(-4.466,-5.624) -7.903,-9.06 v2(-10.081,-9.06) -8.695,-10.447 J5.13@-4.64,-10.447 -3.534,-11.553 v2(-3.111,-11.553) ; U8.G2@-7.412,-46.327 U8.F2@-7.412,-45.677 ; D6.1@-7.112,-56.134 -7.109,-56.137 -5.966,-56.137 C45.2@-5.842,-56.261 C48.2@-4.699,-56.261 -2.492,-56.261 v4(-2.482,-56.251) ; U8.N1@-6.762,-50.227 v1(-6.762,-49.575) ; v2(-4.639,-44.852) -4.237,-44.45 C33.2@-3.04,-44.45 ; XT1.2@-3.175,-46.187 -3.175,-44.585 C33.2@-3.04,-44.45 ; C37.1@-2.116,-53.611 -2.105,-53.623 v4(-2.105,-54.495) ; C30.2@-2.04,-42.164 C27.2@-2.04,-43.307 -2.04,-43.357 -3.04,-44.357 C33.2@-3.04,-44.45 ; C34.2@-1.913,-50.292 -1.318,-49.697 v4(-0.995,-49.697) -0.995,-48.967 XT1.4@-1.575,-48.387
  Bottom Layer w0.3: R5.1@-35.987,-44.234 v9(-35.987,-44.761) C3.1@-35.987,-45.288 -35.987,-45.695 -36.137,-45.844 -36.137,-47.788 -35.709,-48.215 v8(-35.709,-49.371) ; v2(-17.395,-11.587) -17.395,-10.61 -16.772,-9.988 J5.12@-14.25,-9.988 ; J5.6@-15.24,-14.897 -13.456,-14.897 v2(-13.383,-14.97) ; v2(-15.011,-8.634) -15.011,-9.226 J5.12@-14.25,-9.988 ; J5.12@-14.24,-9.997 J5.12@-14.25,-9.988 ; C25.2@-13.335,-38.624 C28.2@-12.192,-38.624 C31.2@-11.049,-38.624 C36.2@-9.906,-38.624 -9.899,-38.617 C40.2@-5.126,-38.617 -4.743,-38.235 v2(-4.743,-37.576) ; v2(-8.116,-18.734) -5.123,-18.734 v2(-3.99,-19.867) -5.517,-21.393 -5.517,-25.07 J5.10@-4.64,-25.947 -4.64,-26.698 v2(-4.183,-27.156)
  Bottom Layer w0.4: v2(-25.371,-52.894) -25.371,-48.302 v4(-26.098,-47.574) -21.802,-47.574 C42.2@-21.17,-46.942 ; C39.2@-21.17,-48.275 C42.2@-21.17,-46.942 ; C39.2@-21.157,-48.275 -21.17,-48.287 C49.2@-21.17,-49.419 -21.17,-50.107 -20.649,-50.627 -19.165,-50.627 v2(-18.712,-51.08) -17.867,-51.925 v2(-17.867,-53.417) -14.993,-56.292 C24.2@-13.208,-56.292 C26.2@-12.065,-56.292 -11.463,-56.292 ; C42.2@-21.139,-46.912 C42.2@-21.17,-46.942 ; -19.606,-39.306 C52.1@-19.606,-38.483 ; v3(-15.756,-38.904) -15.845,-38.904 -16.483,-38.904 -16.678,-39.098 -16.678,-39.444 -17.488,-40.254 -17.488,-41.763 -18.444,-42.72 -19.368,-42.72 -21.157,-44.508 C46.2@-21.157,-45.802 -21.17,-45.814 C42.2@-21.17,-46.942 ; v6(-11.457,-57.134) -11.463,-57.128 -11.463,-56.292 ; C29.2@-9.777,-56.299 -9.784,-56.292 C35.2@-10.922,-56.292 -11.463,-56.292
  other v2: -27.322,-57.324 -22.082,-52.58 -28.131,-46.56 -28.908,-42.812 -26.783,-42.796 -22.246,-42.692 -9.611,-27.498
HS_VBUS: R20.2 U8.P13 | length 3
  Top Layer w0.254: v1(-14.562,-50.877) -14.562,-52.297 R20.2@-13.446,-53.414
LCD_CS: J4.3 U8.A11 | length 17.3
  Top Layer w0.2: v1(-5.8,-35.246) J4.3@-5.8,-34.049
  Bottom Layer w0.2: U8.A11@-13.262,-42.427 -13.262,-41.504 -12.081,-40.323 -4.493,-40.323 -4.185,-40.016 -4.185,-36.861 v1(-5.8,-35.246)
LCD_DB0: J4.8 U8.M14 | length 22.4
  Top Layer w0.2: v1(-8.301,-35.822) J4.8@-8.3,-34.049 J4.8@-8.3,-34.049
  MidLayer2 w0.2: v1(-15.212,-49.577) -14.689,-49.055 -14.689,-48.335 -16.7,-46.325 -16.7,-42.435 -16.316,-42.052 -12.245,-42.052 -8.301,-38.108 v1(-8.301,-35.822)
LCD_DB1: J4.9 U8.L14 | length 21.4
  Top Layer w0.2: v1(-8.804,-35.154) -8.804,-34.053 J4.9@-8.8,-34.049
  MidLayer2 w0.2: v1(-15.212,-48.927) -17.079,-47.06 -17.079,-42.245 -16.56,-41.727 -12.579,-41.727 -8.804,-37.952 v1(-8.804,-35.154)